# KiCad board sample018-programmable-led-panel.kicad_pcb (continued)
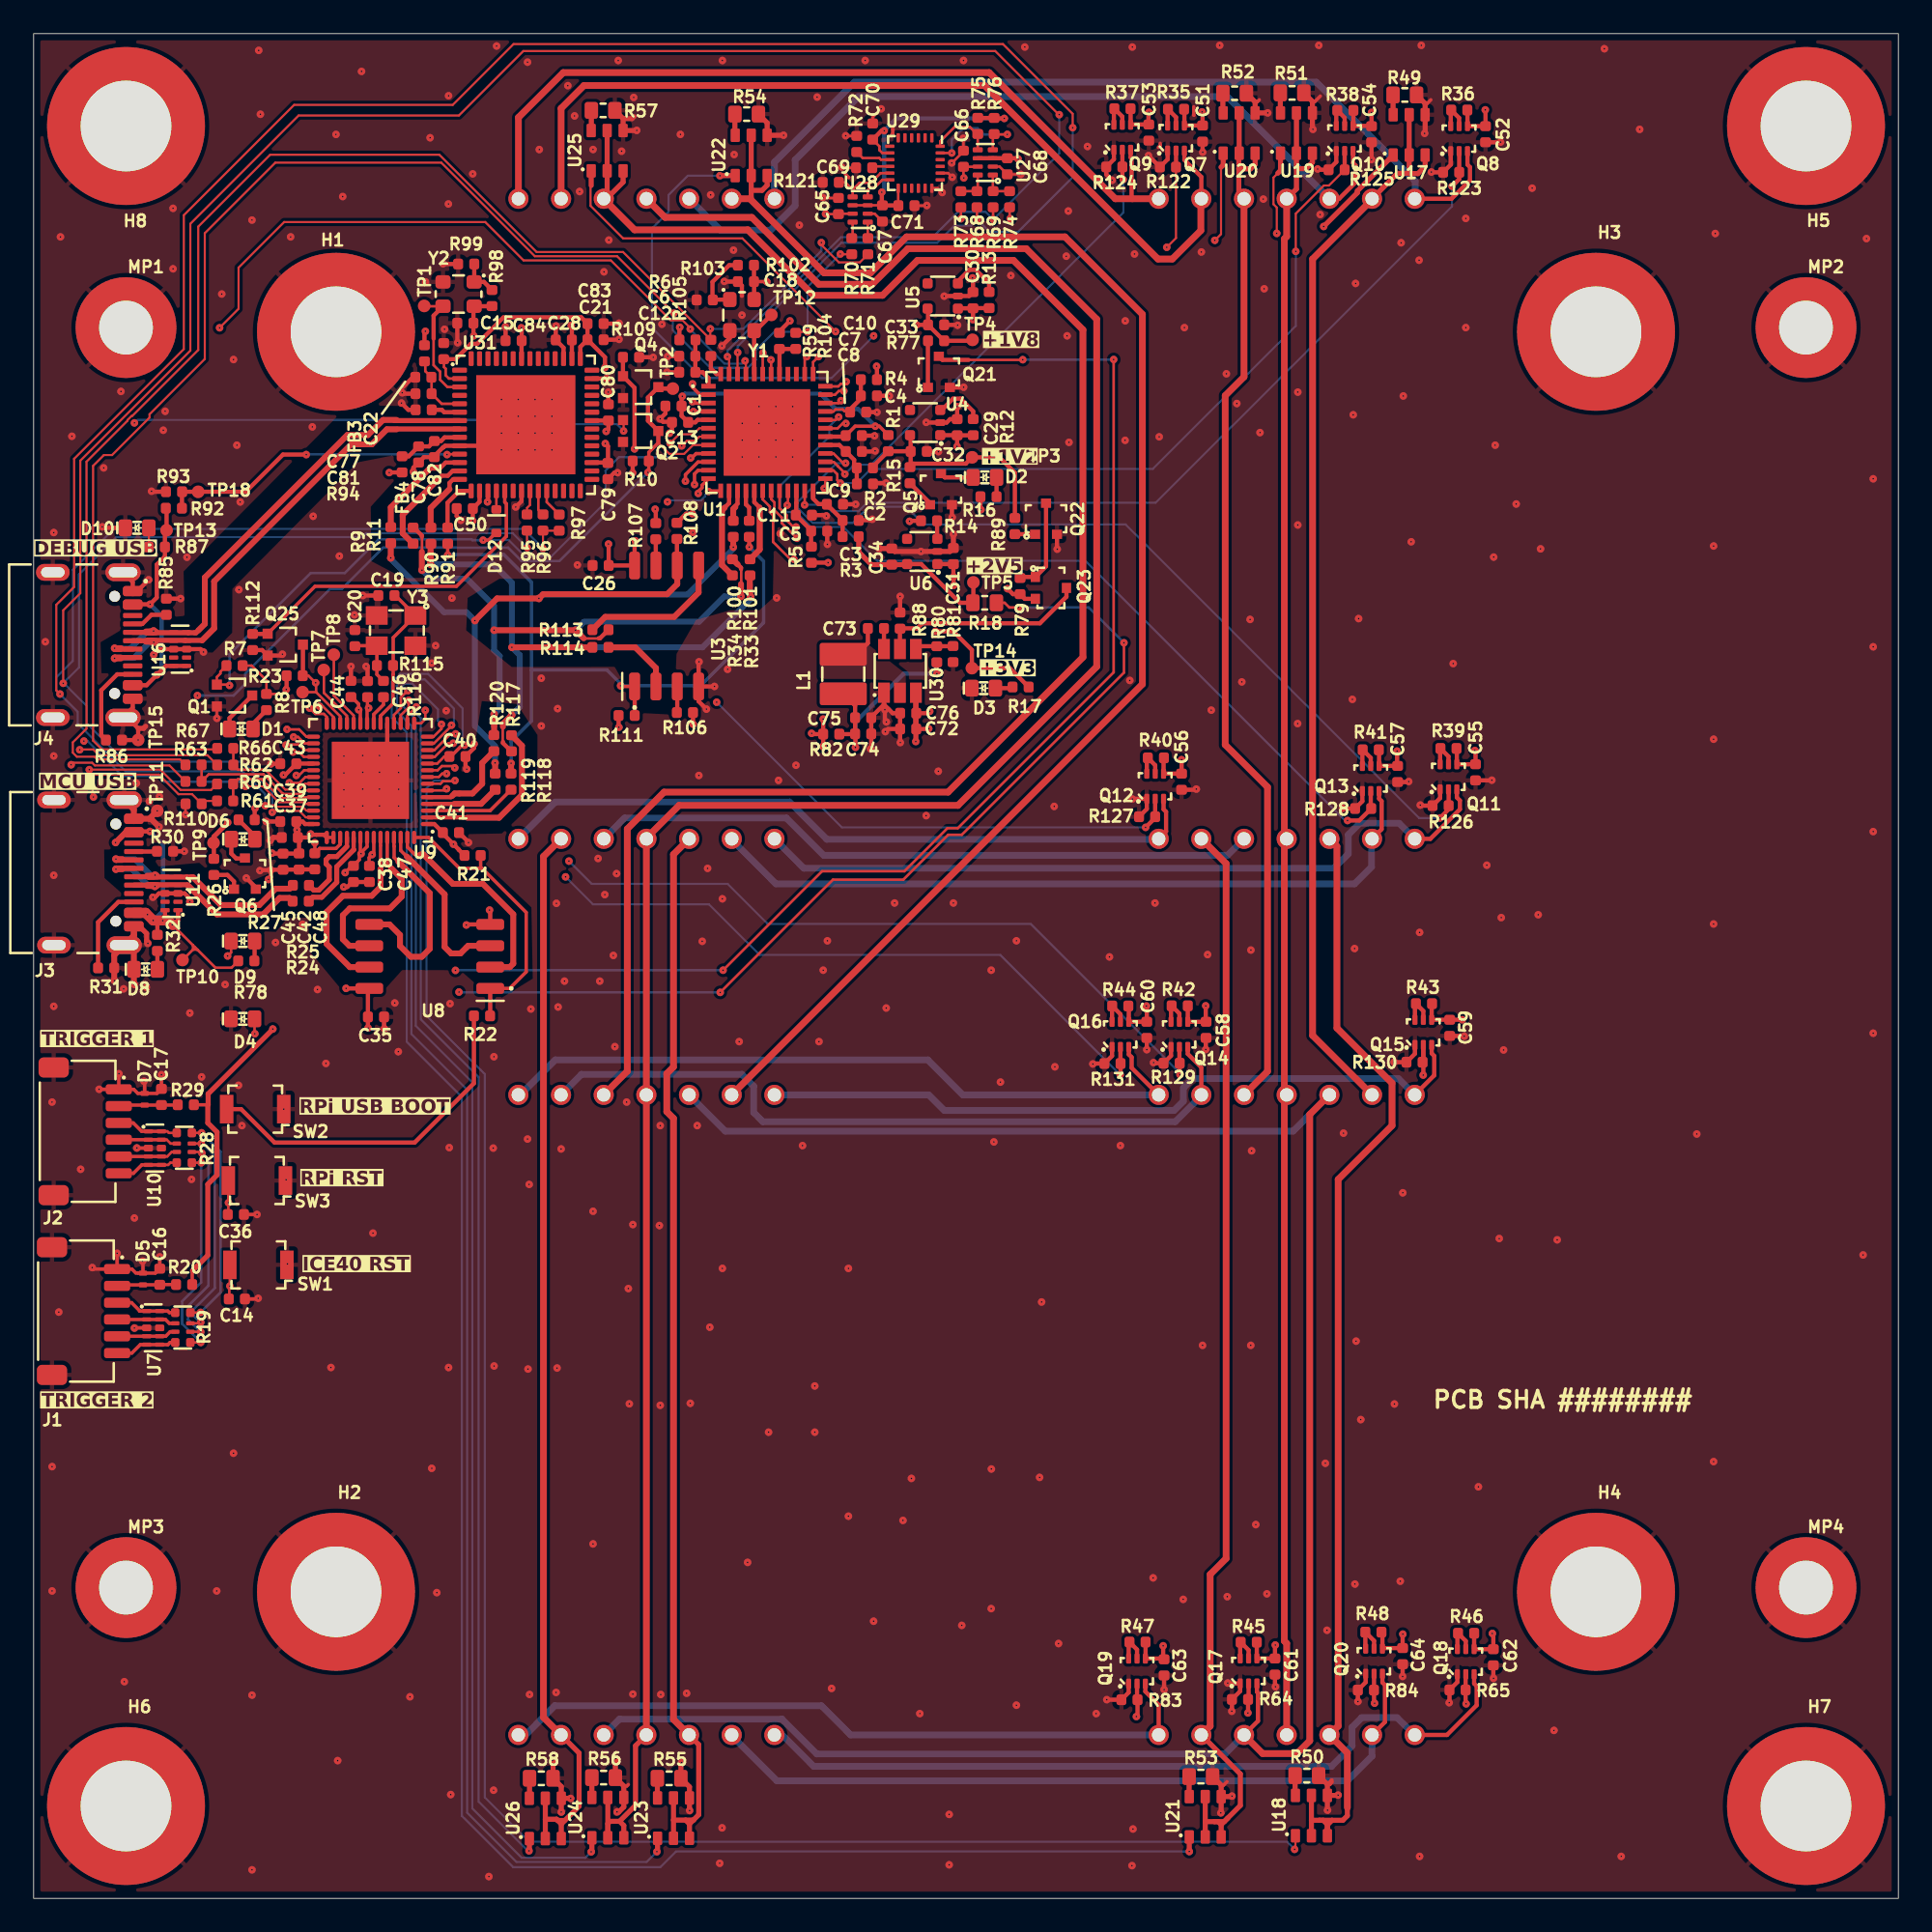
[diagram p0: board, top side]
## Library data of the parts (continued)
R31 R85 = -: Datasheet: https://www.bourns.com/docs/product-datasheets/cr.pdf; Description: SMD Chip Resistor, 5.1 kohm, ± 1%, 63 mW, 0402 [1005 Metric], Thick Film, General Purpose; MPN: CR0402-FX-5101GLF; Manufacturer: Bourns; License: Apache-2.0; Author: Antmicro; Val: 5k1; Tolerance: 1%; Field11: Author: Antmicro; Field12: License: Apache-2.0
R32 R35 R36 = -: Datasheet: https://www.bourns.com/docs/product-datasheets/cr.pdf; Description: SMD Chip Resistor, 1 kohm, ± 1%, 63 mW, 0402 [1005 Metric], Thick Film, General Purpose; MPN: CR0402-FX-1001GLF; Manufacturer: Bourns; License: Apache-2.0; Author: Antmicro; Val: 1k; Tolerance: 1%; Field10: Author: Antmicro; Field12: License: Apache-2.0
R34 = -: Datasheet: https://www.bourns.com/docs/product-datasheets/cr.pdf; Description: SMD Chip Resistor, 27 ohm, ± 1%, 63 mW, 0402 [1005 Metric], Thick Film, General Purpose; MPN: CR0402-FX-27R0GLF; Manufacturer: Bourns; License: Apache-2.0; Author: Antmicro; Val: 27R; Tolerance: 1%; Field10: License: Apache-2.0; Field12: Author: Antmicro
R37 R44 R45 R47 R78 = -: Datasheet: https://www.bourns.com/docs/product-datasheets/cr.pdf; Description: SMD Chip Resistor, 1 kohm, ± 1%, 63 mW, 0402 [1005 Metric], Thick Film, General Purpose; MPN: CR0402-FX-1001GLF; Manufacturer: Bourns; License: Apache-2.0; Author: Antmicro; Val: 1k; Tolerance: 1%; Field11: License: Apache-2.0; Field12: Author: Antmicro
R49 R50 R57 R58 = -: Datasheet: https://www.bourns.com/docs/product-datasheets/cr.pdf; Description: SMD Chip Resistor, 120 ohm, ± 1%, 100 mW, 0603 [1608 Metric], Thick Film, General Purpose; MPN: CR0603-FX-1200ELF; Manufacturer: Bourns; License: Apache-2.0; Author: Antmicro; Val: 120R; Tolerance: 1%; Field11: License: Apache-2.0; Field12: Author: Antmicro
R51 R53 R54 = -: Datasheet: https://www.bourns.com/docs/product-datasheets/cr.pdf; Description: SMD Chip Resistor, 120 ohm, ± 1%, 100 mW, 0603 [1608 Metric], Thick Film, General Purpose; MPN: CR0603-FX-1200ELF; Manufacturer: Bourns; License: Apache-2.0; Author: Antmicro; Val: 120R; Tolerance: 1%; Field10: Author: Antmicro; Field11: License: Apache-2.0
R55 R56 = -: Datasheet: https://www.bourns.com/docs/product-datasheets/cr.pdf; Description: SMD Chip Resistor, 120 ohm, ± 1%, 100 mW, 0603 [1608 Metric], Thick Film, General Purpose; MPN: CR0603-FX-1200ELF; Manufacturer: Bourns; License: Apache-2.0; Author: Antmicro; Val: 120R; Tolerance: 1%; Field10: License: Apache-2.0; Field11: Author: Antmicro
R67 R98 R105 = -: Datasheet: https://industrial.panasonic.com/cdbs/www-data/pdf/RDA0000/AOA0000C301.pdf; Description: SMD Chip Resistor, Jumper, 0 ohm, 100 mW, 0402 [1005 Metric], Thick Film, General Purpose; MPN: ERJ2GE0R00X; Manufacturer: Panasonic; License: Apache-2.0; Author: Antmicro; Val: 0R; Current: 1A; Field11: License: Apache-2.0; Field13: Author: Antmicro
R75 R84 R108 = -: Datasheet: https://www.bourns.com/docs/product-datasheets/cr.pdf; Description: SMD Chip Resistor, 10 kohm, ± 1%, 62.5 mW, 0402 [1005 Metric], Thick Film, General Purpose; MPN: CR0402-FX-1002GLF; Manufacturer: Bourns; License: Apache-2.0; Author: Antmicro; Val: 10k; Tolerance: 1%; Field11: Author: Antmicro; Field12: License: Apache-2.0
R76 R99 = -: Datasheet: https://www.bourns.com/docs/product-datasheets/cr.pdf; Description: SMD Chip Resistor, 10 kohm, ± 1%, 62.5 mW, 0402 [1005 Metric], Thick Film, General Purpose; MPN: CR0402-FX-1002GLF; Manufacturer: Bourns; License: Apache-2.0; Author: Antmicro; Val: 10k; Tolerance: 1%; Field10: Author: Antmicro; Field11: License: Apache-2.0
R80 = -: Datasheet: https://www.bourns.com/docs/product-datasheets/cr.pdf; Description: SMD Chip Resistor; MPN: CR0402-FX-3162GLF; Manufacturer: Bourns; License: Apache-2.0; Author: Antmicro; Val: 31k6; Tolerance: 1%; Field10: Author: Antmicro; Field11: License: Apache-2.0
R81 = -: Datasheet: https://www.bourns.com/docs/product-datasheets/cr.pdf; MPN: CR0402-FX-1002GLF; Manufacturer: Bourns; License: Apache-2.0; Author: Antmicro; Val: 10k; Tolerance: 1%; Field10: Author: Antmicro; Field11: License: Apache-2.0
R86 = -: Datasheet: https://www.bourns.com/docs/product-datasheets/cr.pdf; Description: SMD Chip Resistor, 5.1 kohm, ± 1%, 63 mW, 0402 [1005 Metric], Thick Film, General Purpose; MPN: CR0402-FX-5101GLF; Manufacturer: Bourns; License: Apache-2.0; Author: Antmicro; Val: 5k1; Tolerance: 1%; Field10: License: Apache-2.0; Field12: Author: Antmicro
R90 R100 R101 = -: Datasheet: https://www.bourns.com/docs/product-datasheets/cr.pdf; Description: SMD Chip Resistor, 27 ohm, ± 1%, 63 mW, 0402 [1005 Metric], Thick Film, General Purpose; MPN: CR0402-FX-27R0GLF; Manufacturer: Bourns; License: Apache-2.0; Author: Antmicro; Val: 27R; Tolerance: 1%; Field11: License: Apache-2.0; Field12: Author: Antmicro
R92 = -: Datasheet: https://www.bourns.com/docs/product-datasheets/cr.pdf; Manufacturer: Bourns; MPN: CR0402-FX-4701GLF; Val: 4k7; License: Apache-2.0; Author: Antmicro; Tolerance: 1%; Public: False; Field11: Author: Antmicro; Field12: License: Apache-2.0
R93 R109 = -: Datasheet: https://www.bourns.com/docs/product-datasheets/cr.pdf; Manufacturer: Bourns; MPN: CR0402-FX-1002GLF; Val: 10k; License: Apache-2.0; Author: Antmicro; Tolerance: 1%; Public: False; Field11: Author: Antmicro; Field13: License: Apache-2.0
R94 = -: Datasheet: https://www.bourns.com/docs/product-datasheets/cr.pdf; Manufacturer: Bourns; MPN: CR0402-FX-1202GLF; Val: 12k; License: Apache-2.0; Author: Antmicro; Tolerance: 1%; Public: False; Field12: License: Apache-2.0; Field13: Author: Antmicro
R110 R112 = -: Datasheet: https://www.bourns.com/docs/product-datasheets/cr.pdf; Manufacturer: Bourns; MPN: CR0402-FX-1002GLF; Val: 10k; License: Apache-2.0; Author: Antmicro; Tolerance: 1%; Public: False; Field11: License: Apache-2.0; Field13: Author: Antmicro
R115 = -: Datasheet: https://www.bourns.com/docs/product-datasheets/cr.pdf; Description: SMD Chip Resistor, 1 Mohm, ± 1%, 62.5 mW, 0402 [1005 Metric], Thick Film, General Purpose; MPN: CR0402-FX-1004GLF; Manufacturer: Bourns; License: Apache-2.0; Author: Antmicro; Val: 1M; Tolerance: 1%; Field11: License: Apache-2.0; Field12: Author: Antmicro
R120 = -: Datasheet: https://www.bourns.com/docs/product-datasheets/cr.pdf; Description: SMD Chip Resistor, 27 ohm, ± 1%, 63 mW, 0402 [1005 Metric], Thick Film, General Purpose; MPN: CR0402-FX-27R0GLF; Manufacturer: Bourns; License: Apache-2.0; Author: Antmicro; Val: 27R; Tolerance: 1%; Field10: Author: Antmicro; Field11: License: Apache-2.0
R121 = -: Datasheet: https://www.bourns.com/docs/product-datasheets/cr.pdf; Description: SMD Chip Resistor, 100 kohm, ± 1%, 62.5 mW, 0402 [1005 Metric], Thick Film, General Purpose; MPN: CR0402-FX-1003GLF; Manufacturer: Bourns; License: Apache-2.0; Author: Antmicro; Val: 100k; Tolerance: 1%; Field10: License: Apache-2.0; Field12: Author: Antmicro
SW1 = -: Datasheet: https://omronfs.omron.com/en_US/ecb/products/pdf/en-b3u.pdf; Description: Tactile Switch, B3U, Top Actuated, Surface Mount, Round Button, 153 gf, 50mA at 12VDC; MPN: B3U-1000P; Manufacturer: Omron; Author: Antmicro; License: Apache-2.0; Field8: License: Apache-2.0; Field9: Author: Antmicro
SW2 = -: Datasheet: https://omronfs.omron.com/en_US/ecb/products/pdf/en-b3u.pdf; Description: Tactile Switch, B3U, Top Actuated, Surface Mount, Round Button, 153 gf, 50mA at 12VDC; MPN: B3U-1000P; Manufacturer: Omron; Author: Antmicro; License: Apache-2.0; Field8: License: Apache-2.0; Field10: Author: Antmicro
SW3 = -: Datasheet: https://omronfs.omron.com/en_US/ecb/products/pdf/en-b3u.pdf; Description: Tactile Switch, B3U, Top Actuated, Surface Mount, Round Button, 153 gf, 50mA at 12VDC; MPN: B3U-1000P; Manufacturer: Omron; Author: Antmicro; License: Apache-2.0; Field9: Author: Antmicro; Field10: License: Apache-2.0
TP1 TP4 TP7 TP15 TP18 = -: Description: SMT test point; Author: Antmicro; License: Apache-2.0; Field8: License: Apache-2.0; Field9: Author: Antmicro
TP2 TP3 TP11 = -: Description: SMT test point; Author: Antmicro; License: Apache-2.0; Field9: License: Apache-2.0; Field10: Author: Antmicro
TP5 = -: Description: SMT test point; Author: Antmicro; License: Apache-2.0; Field8: License: Apache-2.0; Field10: Author: Antmicro
TP6 TP8 TP13 = -: Description: SMT test point; Author: Antmicro; License: Apache-2.0; Field8: Author: Antmicro; Field10: License: Apache-2.0
TP9 TP14 = -: Description: SMT test point; Author: Antmicro; License: Apache-2.0; Field9: Author: Antmicro; Field10: License: Apache-2.0
TP10 TP12 = -: Description: SMT test point; Author: Antmicro; License: Apache-2.0; Field8: Author: Antmicro; Field9: License: Apache-2.0
U1 = -: Datasheet: https://www.latticesemi.com/~/media/LatticeSemi/Documents/DataSheets/iCE/iCE40%20UltraPlus%20Family%20Data%20Sheet.pdf?document_id=51968; Description: iCE40 UltraPlus™ Field Programmable Gate Array; MPN: ICE40UP5K-SG48ITR50; Manufacturer: Lattice Semiconductor; Author: Antmicro; License: Apache-2.0; Field8: License: Apache-2.0; Field10: Author: Antmicro
U3 = -: Datasheet: https://www.mouser.com/datasheet/2/949/w25q32jw_spi_revf_09042018-1489621.pdf; Description: FLASH - NOR Memory IC 32Mbit SPI - Quad I/O 133 MHz 8-SOIC; MPN: W25Q32JWSSIQ; Manufacturer: Winbond; Author: Antmicro; License: Apache-2.0; Field8: License: Apache-2.0; Field10: Author: Antmicro
U4 = -: Datasheet: https://www.ti.com/general/docs/suppproductinfo.tsp?distId=26&gotoUrl=http%3A%2F%2Fwww.ti.com%2Flit%2Fgpn%2Ftlv700; Description: Linear voltage regulator; MPN: TLV70012DCKT; Manufacturer: Texas Instruments; Author: Antmicro; License: Apache-2.0; Field9: License: Apache-2.0; Field10: Author: Antmicro
U5 = -: Datasheet: https://www.ti.com/general/docs/suppproductinfo.tsp?distId=26&gotoUrl=http%3A%2F%2Fwww.ti.com%2Flit%2Fgpn%2Ftlv700; Description: Fixed LDO Voltage Regulator, 2V to 5.5V, 175mV drop, 1.8V/200mA out, SC-70-5; MPN: TLV70018DCKR; Manufacturer: Texas Instruments; Author: Antmicro; License: Apache-2.0; Field9: Author: Antmicro; Field10: License: Apache-2.0
U6 = -: Datasheet: https://www.ti.com/general/docs/suppproductinfo.tsp?distId=26&gotoUrl=http%3A%2F%2Fwww.ti.com%2Flit%2Fgpn%2Ftlv700; Description: Linear voltage regulator; MPN: TLV70025DCKT; Manufacturer: Texas Instruments; Author: Antmicro; License: Apache-2.0; Field8: License: Apache-2.0; Field10: Author: Antmicro
U7 = -: Datasheet: http://www.ti.com/lit/ds/symlink/tpd4e02b04.pdf; Description: TVS diode array, 12 kV, USON-10, 3.6 V, 0.33 pF; MPN: TPD4E02B04DQAR; Manufacturer: Texas Instruments; Author: Antmicro; License: Apache-2.0; Field8: Author: Antmicro; Field10: License: Apache-2.0; ki_fp_filters: USON*2.5x1.0mm*P0.5mm*
U8 = -: Datasheet: https://www.winbond.com/resource-files/w25q128jv%20revf%2003272018%20plus.pdf; Description: FLASH - NOR Memory IC 128Mbit SPI - Quad I/O, QPI 104 MHz 8-SOIC; Manufacturer: Winbond; MPN: W25Q128JVSIQ; Author: Antmicro; License: Apache-2.0; Field8: License: Apache-2.0; Field10: Author: Antmicro
U9 = -: Datasheet: https://datasheets.raspberrypi.com/rp2040/rp2040-datasheet.pdf; Description: ARM MCU, Raspberry Pi, Dual ARM Cortex-M0+, 32 bit, 133MHz, 264 KB; Manufacturer: Raspberry Pi; Author: Antmicro; License: Apache-2.0; Field8: License: Apache-2.0; Field9: Author: Antmicro
U10 = -: Datasheet: http://www.ti.com/lit/ds/symlink/tpd4e02b04.pdf; Description: TVS diode array, 12 kV, USON-10, 3.6 V, 0.33 pF; MPN: TPD4E02B04DQAR; Manufacturer: Texas Instruments; Author: Antmicro; License: Apache-2.0; Field8: License: Apache-2.0; Field9: Author: Antmicro; ki_fp_filters: USON*2.5x1.0mm*P0.5mm*
U11 = -: Datasheet: https://www.ti.com/lit/ds/symlink/tpd4e05u06-q1.pdf?HQS=dis-mous-null-mousermode-dsf-pf-null-wwe&ts=1663591265741&ref_url=https%253A%252F%252Fwww.mouser.com%252F; Description: TVS diode array, 12 kV, USON-10, 5.5 V, 0.5 pF; Manufacturer: Texas Instruments; Author: Antmicro; License: Apache-2.0; Field9: Author: Antmicro; Field10: License: Apache-2.0
U12 = -: Datasheet: https://www.luckylight.cn/media/component/data-sheet/KWM-50571AGB.pdf; Description: 7.62mm 5×7 Super Yellow Green Dot Matrix LED Display; MPN: KWM-50571AGB; Manufacturer: Luckylight; License: Apache-2.0; Author: Antmicro; Field9: Author: Antmicro; Field10: License: Apache-2.0
U13 = -: Datasheet: https://www.luckylight.cn/media/component/data-sheet/KWM-50571AGB.pdf; Description: 7.62mm 5×7 Super Yellow Green Dot Matrix LED Display; MPN: KWM-50571AGB; Manufacturer: Luckylight; License: Apache-2.0; Author: Antmicro; Field9: License: Apache-2.0; Field10: Author: Antmicro
U14 = -: Datasheet: https://www.luckylight.cn/media/component/data-sheet/KWM-50571AGB.pdf; Description: 7.62mm 5×7 Super Yellow Green Dot Matrix LED Display; MPN: KWM-50571AGB; Manufacturer: Luckylight; License: Apache-2.0; Author: Antmicro; Field8: Author: Antmicro; Field10: License: Apache-2.0
U15 = -: Datasheet: https://www.luckylight.cn/media/component/data-sheet/KWM-50571AGB.pdf; Description: 7.62mm 5×7 Super Yellow Green Dot Matrix LED Display; MPN: KWM-50571AGB; Manufacturer: Luckylight; License: Apache-2.0; Author: Antmicro; Field8: Author: Antmicro; Field9: License: Apache-2.0
U16 = -: Datasheet: https://www.ti.com/lit/ds/symlink/tpd4e05u06-q1.pdf?HQS=dis-mous-null-mousermode-dsf-pf-null-wwe&ts=1663591265741&ref_url=https%253A%252F%252Fwww.mouser.com%252F; Description: TVS diode array, 12 kV, USON-10, 5.5 V, 0.5 pF; Manufacturer: Texas Instruments; Author: Antmicro; License: Apache-2.0; Field9: License: Apache-2.0; Field10: Author: Antmicro
U17 U20 U24-U26 = -: Datasheet: https://www.diodes.com/datasheet/download/BCR421UW6Q.pdf; Description: 350 mA Linear LED driver; Vmax=40V; Idefault=10mA; PWMmax=25kHz; Pmax=1W; MPN: BCR421UW6Q-7; Manufacturer: Diodes Incorporated; Author: Antmicro; License: Apache-2.0; Field8: License: Apache-2.0; Field10: Author: Antmicro
U18 U23 = -: Datasheet: https://www.diodes.com/datasheet/download/BCR421UW6Q.pdf; Description: 350 mA Linear LED driver; Vmax=40V; Idefault=10mA; PWMmax=25kHz; Pmax=1W; MPN: BCR421UW6Q-7; Manufacturer: Diodes Incorporated; Author: Antmicro; License: Apache-2.0; Field8: Author: Antmicro; Field9: License: Apache-2.0
U19 = -: Datasheet: https://www.diodes.com/datasheet/download/BCR421UW6Q.pdf; Description: 350 mA Linear LED driver; Vmax=40V; Idefault=10mA; PWMmax=25kHz; Pmax=1W; MPN: BCR421UW6Q-7; Manufacturer: Diodes Incorporated; Author: Antmicro; License: Apache-2.0; Field9: License: Apache-2.0; Field10: Author: Antmicro
U21 U22 = -: Datasheet: https://www.diodes.com/datasheet/download/BCR421UW6Q.pdf; Description: 350 mA Linear LED driver; Vmax=40V; Idefault=10mA; PWMmax=25kHz; Pmax=1W; MPN: BCR421UW6Q-7; Manufacturer: Diodes Incorporated; Author: Antmicro; License: Apache-2.0; Field8: Author: Antmicro; Field10: License: Apache-2.0
U27 = -: Datasheet: http://www.farnell.com/datasheets/1760723.pdf; Description: Transceiver, 1.65 V to 3.6 V, XSON-8; MPN: NTS0102GT; Manufacturer: NXP; Author: Antmicro; License: Apache-2.0; Field9: License: Apache-2.0; Field10: Author: Antmicro
U28 = -: Datasheet: https://www.nxp.com/docs/en/data-sheet/NTB0102.pdf; Description: Transceiver, 1.65 V to 3.6 V, XSON-8; MPN: NTB0102GT; Manufacturer: NXP; Author: Antmicro; License: Apache-2.0; Field8: License: Apache-2.0; Field10: Author: Antmicro
U29 = -: Datasheet: http://www.invensense.com/wp-content/uploads/2016/06/DS-000189-ICM-20948-v1.3.pdf; Description: MEMS Module, MotionTracking Series, 9-Axis Device, ±16g, 1.71 V to 3.6 V, QFN-24; Manufacturer: TDK; Author: Antmicro; License: Apache-2.0; Field8: License: Apache-2.0; Field9: Author: Antmicro; ki_fp_filters: InvenSense?QFN*3x3mm*P0.4mm*
U30 = -: Datasheet: https://www.diodes.com/assets/Datasheets/AP62300_AP62301_AP62300T.pdf; MPN: AP62301WU-7; Manufacturer: Diodes Incorporated; Author: Antmicro; License: Apache-2.0; Field8: License: Apache-2.0; Field10: Author: Antmicro
U31 = -: Datasheet: https://ftdichip.com/wp-content/uploads/2024/09/DS_FT4232H.pdf; Description: Interface Bridges, USB to UART, MPSSE, 1.62 V, 1.98 V, VQFN, 56 Pins, -40 °C; Manufacturer: FTDI Chip; MPN: FT4232H-56Q-REEL; Author: Antmicro; License: Apache-2.0; Field8: License: Apache-2.0; Field10: Author: Antmicro
Y1 = -: Datasheet: https://ecsxtal.com/store/pdf/ECS-2520MV.pdf; Description: Oscillator, 12 MHz, CMOS, 50 ppm, SMD, 2.5mm x 2mm, 3.6 V, MultiVolt ECS-2520MVLC Series; MPN: ECS-2520MVLC-120-BN-TR; Manufacturer: ECS Inc. International; Val: 12 MHz; Author: Antmicro; License: Apache-2.0; Field10: Author: Antmicro; Field11: License: Apache-2.0
Y2 = -: Datasheet: https://ecsxtal.com/store/pdf/ECS-2520MV.pdf; Description: Oscillator, 12 MHz, CMOS, 50 ppm, SMD, 2.5mm x 2mm, 3.6 V, MultiVolt ECS-2520MVLC Series; MPN: ECS-2520MVLC-120-BN-TR; Manufacturer: ECS Inc. International; Val: 12 MHz; Author: Antmicro; License: Apache-2.0; Field9: License: Apache-2.0; Field11: Author: Antmicro
Y3 = -: Datasheet: https://abracon.com/Resonators/ABM8G.pdf; Description: Crystal, 12 MHz, SMT, 3.2mm x 2.5mm, 30 ppm, 18 pF, 20 ppm, ABM8G; MPN: ABM8G-12.000MHZ-18-D2Y-T; Manufacturer: Abracon; Author: Antmicro; License: Apache-2.0; Val: 12 MHz; Field9: Author: Antmicro; Field11: License: Apache-2.0

## Footprints (pads in the part's own frame, mm; a bottom-side part is the same pattern mirrored in y, then rotated)
C_0402_1005Metric
  rrect 0.59x0.64 smd: 1(-0.48,0) 2(0.48,0)
Conn_JST_SH_1x6_SM06B-SRSS-TB-LF-SN
  rrect 0.6x1.55 smd: 1(-2.5,2.1) 2(-1.5,2.1) 3(-0.5,2.1) 4(0.5,2.1) 5(1.5,2.1) 6(2.5,2.1)
  rrect 1.2x1.8 smd: MP(-3.8,-1.775) MP(3.8,-1.775)
FB_0402_1005Metric
  rrect 0.59x0.64 smd: 1(-0.48,0) 2(0.48,0)
InvenSense_QFN-24_3x3mm_P0.4mm
  rrect 0.55x0.2 smd: 1(-1.5,1) 2(-1.5,0.6) 3(-1.5,0.2) 4(-1.5,-0.2) 5(-1.5,-0.6) 6(-1.5,-1) 13(1.5,-1) 14(1.5,-0.6) 15(1.5,-0.2) 16(1.5,0.2) 17(1.5,0.6) 18(1.5,1)
  rrect 0.2x0.55 smd: 7(-1,-1.5) 8(-0.6,-1.5) 9(-0.2,-1.5) 10(0.2,-1.5) 11(0.6,-1.5) 12(1,-1.5) 19(1,1.5) 20(0.6,1.5) 21(0.2,1.5) 22(-0.2,1.5) 23(-0.6,1.5) 24(-1,1.5)
L_Bourns-SRP3212A
  rrect 1.35x2.8 smd: 1(-1.175,0) 2(1.175,0)
LED_0603_1608Metric_G
  rrect 0.8x1 smd: 1(-0.7,0) 2(0.7,0)
LED_Matrix_KWM_50571AGB
  round 1.2 hole 0.8: 1(0,0) 2(2.54,0) 3(5.08,0) 4(7.62,0) 5(10.16,0) 6(12.7,0) 7(15.24,0) 8(15.24,38.1) 9(12.7,38.1) 10(10.16,38.1) 11(7.62,38.1) 12(5.08,38.1) 13(2.54,38.1) 14(0,38.1)
MP_Pad6mm_Drill3.2mm
  round 6 hole 3.2: 1(0,0)
Oscillator_SMD_ECS_2520MV_2.5x2mm
  rrect 0.8x0.9 smd: 1(-0.725,0.927) 2(-0.725,-0.925) 3(0.723,-0.925) 4(0.723,0.927)
QFN-48-1EP_7x7mm
  rrect 1.4x1.4 smd: (-1.6,1.6) (-1.6,0) (-1.6,-1.6) (0,1.6) (0,0) (0,-1.6) (1.6,1.6) (1.6,0) (1.6,-1.6)
  rect 0.85x0.28 smd: 1(-3.475,2.75) 2(-3.475,2.25) 3(-3.475,1.75) 4(-3.475,1.25) 5(-3.475,0.75) 6(-3.475,0.25) 7(-3.475,-0.25) 8(-3.475,-0.75) 9(-3.475,-1.25) 10(-3.475,-1.75) 11(-3.475,-2.25) 12(-3.475,-2.75) 25(3.475,-2.75) 26(3.475,-2.25) 27(3.475,-1.75) 28(3.475,-1.25) 29(3.475,-0.75) 30(3.475,-0.25) 31(3.475,0.25) 32(3.475,0.75) 33(3.475,1.25) 34(3.475,1.75) 35(3.475,2.25) 36(3.475,2.75)
  rect 0.28x0.85 smd: 13(-2.75,-3.475) 14(-2.25,-3.475) 15(-1.75,-3.475) 16(-1.25,-3.475) 17(-0.75,-3.475) 18(-0.25,-3.475) 19(0.25,-3.475) 20(0.75,-3.475) 21(1.25,-3.475) 22(1.75,-3.475) 23(2.25,-3.475) 24(2.75,-3.475) 37(2.75,3.475) 38(2.25,3.475) 39(1.75,3.475) 40(1.25,3.475) 41(0.75,3.475) 42(0.25,3.475) 43(-0.25,3.475) 44(-0.75,3.475) 45(-1.25,3.475) 46(-1.75,3.475) 47(-2.25,3.475) 48(-2.75,3.475)
  rect 5.15x5.15 smd: 49(0,0)
QFN-56-1EP_7x7mm_P0.4mm_EP4.6x4.6mm
  rrect 1.3x1.3 smd: (-1.525,1.525) (-1.525,0) (-1.525,-1.525) (0,1.525) (0,0) (0,-1.525) (1.525,1.525) (1.525,0) (1.525,-1.525)
  oval 0.8x0.25 smd: 1(-3.4,2.6) 2(-3.4,2.2) 3(-3.4,1.8) 4(-3.4,1.4) 5(-3.4,1) 6(-3.4,0.6) 7(-3.4,0.2) 8(-3.4,-0.2) 9(-3.4,-0.6) 10(-3.4,-1) 11(-3.4,-1.4) 12(-3.4,-1.8) 13(-3.4,-2.2) 14(-3.4,-2.6) 29(3.4,-2.6) 30(3.4,-2.2) 31(3.4,-1.8) 32(3.4,-1.4) 33(3.4,-1) 34(3.4,-0.6) 35(3.4,-0.2) 36(3.4,0.2) 37(3.4,0.6) 38(3.4,1) 39(3.4,1.4) 40(3.4,1.8) 41(3.4,2.2) 42(3.4,2.6)
  oval 0.25x0.8 smd: 15(-2.6,-3.4) 16(-2.2,-3.4) 17(-1.8,-3.4) 18(-1.4,-3.4) 19(-1,-3.4) 20(-0.6,-3.4) 21(-0.2,-3.4) 22(0.2,-3.4) 23(0.6,-3.4) 24(1,-3.4) 25(1.4,-3.4) 26(1.8,-3.4) 27(2.2,-3.4) 28(2.6,-3.4) 43(2.6,3.4) 44(2.2,3.4) 45(1.8,3.4) 46(1.4,3.4) 47(1,3.4) 48(0.6,3.4) 49(0.2,3.4) 50(-0.2,3.4) 51(-0.6,3.4) 52(-1,3.4) 53(-1.4,3.4) 54(-1.8,3.4) 55(-2.2,3.4) 56(-2.6,3.4)
  rect 4.6x4.6 smd: 57(0,0)
QFN-56-1EP_8x8mm_P0.5mm
  rrect 1.13x1.13 smd: (-2.101,2.101) (-2.101,0.7) (-2.101,-0.699) (-2.101,-2.1) (-0.7,2.101) (-0.7,0.7) (-0.7,-0.699) (-0.7,-2.1) (0.699,2.101) (0.699,0.7) (0.699,-0.699) (0.699,-2.1) (2.1,2.101) (2.1,0.7) (2.1,-0.699) (2.1,-2.1)
  rrect 0.875x0.3 smd: 1(-3.938,3.25) 2(-3.938,2.75) 3(-3.938,2.25) 4(-3.938,1.75) 5(-3.938,1.25) 6(-3.938,0.75) 7(-3.938,0.25) 8(-3.938,-0.249) 9(-3.938,-0.749) 10(-3.938,-1.249) 11(-3.938,-1.749) 12(-3.938,-2.249) 13(-3.938,-2.749) 14(-3.938,-3.249) 29(3.937,-3.249) 30(3.937,-2.749) 31(3.937,-2.249) 32(3.937,-1.749) 33(3.937,-1.249) 34(3.937,-0.749) 35(3.937,-0.249) 36(3.937,0.25) 37(3.937,0.75) 38(3.937,1.25) 39(3.937,1.75) 40(3.937,2.25) 41(3.937,2.75) 42(3.937,3.25)
  rrect 0.3x0.875 smd: 15(-3.25,-3.937) 16(-2.75,-3.937) 17(-2.25,-3.937) 18(-1.75,-3.937) 19(-1.25,-3.937) 20(-0.75,-3.937) 21(-0.25,-3.937) 22(0.249,-3.937) 23(0.749,-3.937) 24(1.249,-3.937) 25(1.749,-3.937) 26(2.249,-3.937) 27(2.749,-3.937) 28(3.249,-3.937) 43(3.249,3.938) 44(2.749,3.938) 45(2.249,3.938) 46(1.749,3.938) 47(1.249,3.938) 48(0.749,3.938) 49(0.249,3.938) 50(-0.25,3.938) 51(-0.75,3.938) 52(-1.25,3.938) 53(-1.75,3.938) 54(-2.25,3.938) 55(-2.75,3.938) 56(-3.25,3.938)
  rect 5.9x5.9 smd: 57(0,0)
R_0402_1005Metric
  rrect 0.59x0.64 smd: 1(-0.48,0) 2(0.48,0)
R_0603_1608Metric
  rrect 0.8x1 smd: 1(-0.7,0) 2(0.7,0)
R_Array_4x0402_Panasonic_EXB28V
  rrect 0.525x0.5 smd: 1(-0.887,-0.45) 4(0.887,-0.45) 5(0.887,0.45) 8(-0.887,0.45)
  rrect 0.25x0.5 smd: 2(-0.25,-0.45) 3(0.25,-0.45) 6(0.25,0.45) 7(-0.25,0.45)
Resonator_SMD_Abracon_ABM8G_3.2x2.5mm
  rrect 1.3x1.1 smd: 1(-1.101,-0.949)
  rect 1.3x1.1 smd: 2(1.199,-0.949) 3(1.199,0.85) 4(-1.101,0.85)
SC70-3
  rect 0.6x0.6 smd: 1(-1.051,0.65) 2(-1.051,-0.65) 3(1.05,0)
SC-70-5
  rrect 0.6x0.6 smd: 1(-0.756,-0.893) 3(0.743,-0.893) 4(0.743,0.907) 5(-0.756,0.907)
  rrect 0.4x0.6 smd: 2(-0.006,-0.893)
SC-74-6_1.5x2.9mm_P0.95mm
  rrect 0.8x0.55 smd: 1(-1.2,0.95) 2(-1.2,0) 3(-1.2,-0.95) 4(1.2,-0.95) 5(1.2,0) 6(1.2,0.95)
SOD-523
  rrect 0.5x0.6 smd: 1(-0.701,0) 2(0.699,0)
SOIC-8_5.3x5.3x2mm_P1.27mm
  rrect 1.65x0.65 smd: 1(-3.601,1.905) 2(-3.601,0.635) 3(-3.601,-0.633) 4(-3.601,-1.904) 5(3.6,-1.904) 6(3.6,-0.633) 7(3.6,0.635) 8(3.6,1.905)
SOT-323
  rect 0.55x0.6 smd: 1(-0.927,0.652) 2(-0.927,-0.65) 3(0.925,0)
SOT-563
  rrect 0.6x0.3 smd: 1(-0.749,0.499) 2(-0.749,-0.001) 3(-0.749,-0.497) 4(0.747,-0.497) 5(0.747,-0.001) 6(0.747,0.499)
Spacer_Drill5.4mm_H10mm_9774100482R
  custom 4.229x4.208 smd: (-2.55,-2.36) (2.57,2.4)
  custom 4.208x4.229 smd: (-2.4,2.57) (2.39,-2.53)
  round 9.4 hole 5.4: 1(0,0)
SW_B3U-1000P_SMD
  rect 0.8x1.7 smd: 1(-1.7,0) 2(1.699,0)
TP_SMD_0.75mm
  round 0.75 smd: 1(0,0)
TSOT23-6
  rect 1.2x0.7 smd: 1(-1.301,0.947) 2(-1.301,-0.004) 3(-1.301,-0.954) 4(1.299,-0.954) 5(1.299,-0.004) 6(1.299,0.947)
USB-C_Receptacle_GCT_USB4105-GF-A
  round 0.65 hole 0.65 unplated: (-2.891,2.426) (2.89,2.426)
  rrect 0.6x1.15 smd: A1(-3.202,3.5) A4(-2.4,3.5) A9(2.398,3.5) A12(3.2,3.5) B1(3.2,3.5) B4(2.398,3.5) B9(-2.4,3.5) B12(-3.202,3.5)
  rrect 0.3x1.15 smd: A5(-1.25,3.5) A6(-0.25,3.5) A7(0.248,3.5) A8(1.249,3.5) B5(1.749,3.5) B6(0.748,3.5) B7(-0.75,3.5) B8(-1.75,3.5)
  oval 1.05x2.1 hole 0.6x1.7: SH(-4.321,2.926) SH(4.32,2.926)
  oval 1x2 hole 0.6x1.4: SH(-4.321,-1.255) SH(4.32,-1.255)
USON-10_2.5x1mm_P0.5mm
  rrect 0.55x0.25 smd: 1(-0.387,1) 2(-0.387,0.5) 4(-0.387,-0.498) 5(-0.387,-0.998) 6(0.385,-0.998) 7(0.385,-0.498) 9(0.385,0.5) 10(0.385,1)
  rrect 0.55x0.4 smd: 3(-0.387,0) 8(0.385,0)
XDFN-2_1x0.60mm
  rrect 0.3x0.5 smd: 1(-0.351,0) 2(0.349,0)
XSON-8_1x1.95mm_P0.5mm
  rrect 0.6x0.3 smd: 1(-0.45,0.75) 4(-0.45,-0.75) 5(0.45,-0.75) 8(0.45,0.75)
  rrect 0.6x0.25 smd: 2(-0.45,0.25) 3(-0.45,-0.25) 6(0.45,-0.25) 7(0.45,0.25)
